# KiCad board tekskey-rounded.kicad_pcb (continued)
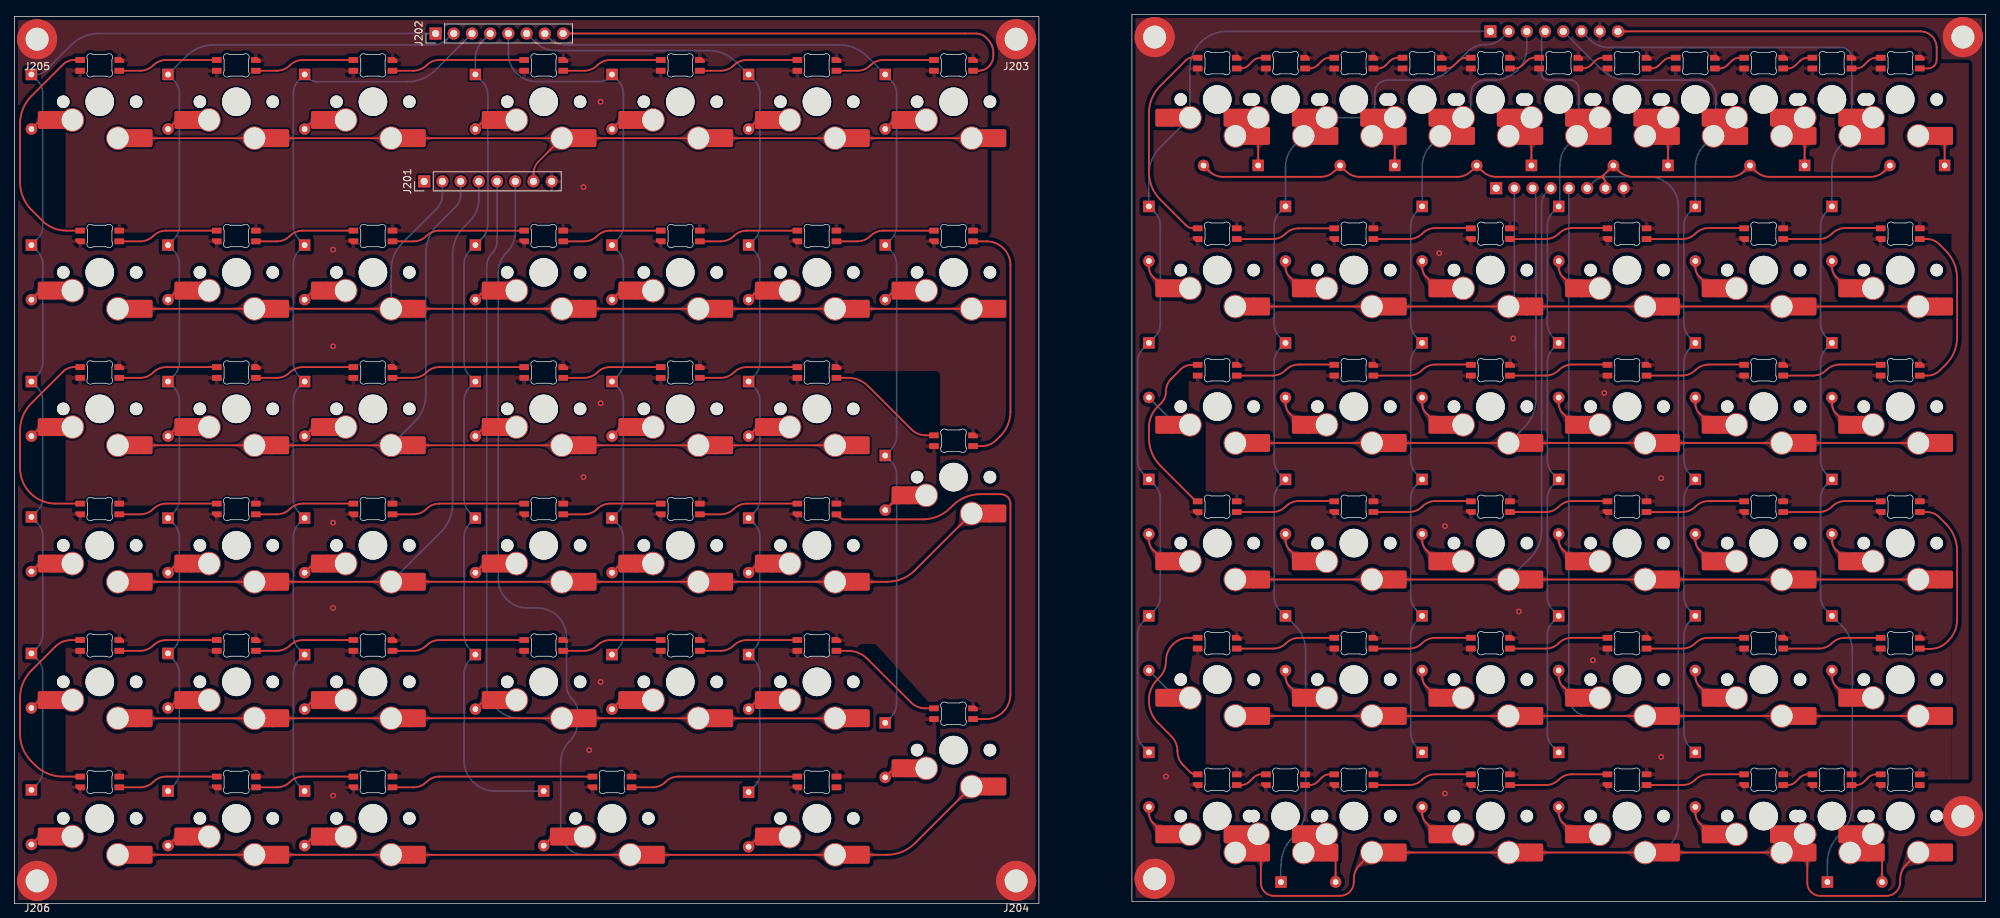
[diagram p0: board, top side]
## Copper pours and planes (outline as drawn; the poured copper is in the pictures) (continued)
Net-(D104-Pad1) on Top: 230.48,104.62 230.47,104.43 230.44,104.28 230.4,104.15 230.35,104.04 230.28,103.94 230.21,103.85 230.13,103.76 230.05,103.65 229.97,103.53 229.89,103.38 230.61,102.63 231.33,103.38 231.25,103.53 231.16,103.65 231.08,103.76 231,103.85 230.93,103.94 230.86,104.04 230.81,104.15 230.77,104.28 230.74,104.43 230.73,104.62
Net-(D104-Pad1) on Top: 230.73,104.71 230.75,104.98 230.79,105.19 230.87,105.37 230.97,105.51 231.09,105.63 231.22,105.75 231.38,105.86 231.54,105.98 231.71,106.13 231.89,106.3 231.17,107.75 229.74,106.97 229.8,106.69 229.88,106.45 229.97,106.25 230.07,106.07 230.17,105.89 230.27,105.72 230.35,105.52 230.42,105.3 230.46,105.03 230.48,104.71
Net-(D104-Pad1) on Bottom: 229.67,109.57 229.37,109.31 229.1,109.13 228.85,109.01 228.6,108.95 228.35,108.92 228.1,108.9 227.84,108.89 227.55,108.87 227.24,108.81 226.89,108.71 226.85,106.57 228.99,106.61 229.09,106.96 229.14,107.28 229.17,107.56 229.18,107.83 229.19,108.08 229.22,108.32 229.29,108.57 229.4,108.83 229.58,109.1 229.85,109.39
Net-(D104-Pad1) on Bottom: 228.09,107.64 228.36,107.87 228.61,108.03 228.84,108.12 229.07,108.17 229.3,108.17 229.54,108.14 229.8,108.11 230.07,108.07 230.37,108.05 230.7,108.05 231.33,110.1 229.25,110.64 229.05,110.31 228.91,110.01 228.82,109.73 228.75,109.47 228.7,109.21 228.63,108.96 228.54,108.69 228.4,108.42 228.2,108.13 227.91,107.81
Net-(D105-Pad1) on Top: 248.62,108.58 248.55,108.66 248.5,108.73 248.47,108.81 248.46,108.89 248.45,108.96 248.46,109.04 248.48,109.11 248.51,109.19 248.54,109.26 248.57,109.34 247.83,110.11 247.25,109.11 247.34,109 247.41,108.89 247.46,108.77 247.5,108.66 247.54,108.54 247.57,108.42 247.62,108.29 247.69,108.16 247.79,108.02 247.92,107.87
Net-(D105-Pad1) on Top: 247.63,108.15 247.86,107.92 248.04,107.71 248.19,107.53 248.32,107.36 248.43,107.2 248.54,107.04 248.65,106.88 248.78,106.71 248.93,106.52 249.11,106.32 250.61,106.92 249.95,108.4 249.75,108.39 249.57,108.38 249.41,108.37 249.25,108.37 249.1,108.39 248.96,108.43 248.82,108.49 248.67,108.58 248.51,108.7 248.34,108.86
Net-(D105-Pad1) on Top: 249.53,104.62 249.52,104.43 249.49,104.28 249.45,104.15 249.4,104.04 249.33,103.94 249.26,103.85 249.18,103.76 249.1,103.65 249.02,103.53 248.94,103.38 249.66,102.63 250.38,103.38 250.3,103.53 250.21,103.65 250.13,103.76 250.05,103.85 249.98,103.94 249.91,104.04 249.86,104.15 249.82,104.28 249.79,104.43 249.78,104.62
Net-(D105-Pad1) on Top: 249.78,104.71 249.8,104.98 249.84,105.19 249.92,105.37 250.02,105.51 250.14,105.63 250.27,105.75 250.43,105.86 250.59,105.98 250.76,106.13 250.94,106.3 250.22,107.75 248.79,106.97 248.85,106.69 248.93,106.45 249.02,106.25 249.12,106.07 249.22,105.89 249.32,105.72 249.4,105.52 249.47,105.3 249.51,105.03 249.53,104.71
Net-(D105-Pad1) on Bottom: 247.14,107.64 247.41,107.87 247.66,108.03 247.89,108.12 248.12,108.17 248.35,108.17 248.59,108.14 248.85,108.11 249.12,108.07 249.42,108.05 249.75,108.05 250.38,110.1 248.3,110.64 248.1,110.31 247.96,110.01 247.87,109.73 247.8,109.47 247.75,109.21 247.68,108.96 247.59,108.69 247.45,108.42 247.25,108.13 246.96,107.81
Net-(D105-Pad1) on Bottom: 248.72,109.57 248.42,109.31 248.15,109.13 247.9,109.01 247.65,108.95 247.4,108.92 247.15,108.9 246.89,108.89 246.6,108.87 246.29,108.81 245.94,108.71 245.9,106.57 248.04,106.61 248.14,106.96 248.19,107.28 248.22,107.56 248.23,107.83 248.24,108.08 248.27,108.32 248.34,108.57 248.45,108.83 248.63,109.1 248.9,109.39
Net-(D106-Pad1) on Top: 269.31,104.65 269.32,104.96 269.37,105.21 269.44,105.42 269.53,105.59 269.64,105.75 269.76,105.9 269.88,106.06 270.01,106.24 270.13,106.45 270.25,106.7 269.03,107.78 268,106.52 268.15,106.3 268.3,106.12 268.44,105.96 268.58,105.82 268.71,105.68 268.83,105.54 268.92,105.38 268.99,105.18 269.04,104.95 269.06,104.65
Net-(D106-Pad1) on Top: 269.06,104.62 269.05,104.43 269.02,104.28 268.98,104.15 268.92,104.04 268.86,103.94 268.79,103.85 268.71,103.76 268.63,103.65 268.54,103.53 268.46,103.38 269.18,102.63 269.9,103.38 269.82,103.53 269.74,103.65 269.66,103.76 269.58,103.85 269.51,103.94 269.44,104.04 269.39,104.15 269.34,104.28 269.32,104.43 269.31,104.62
Net-(D107-Pad2) on Top: 158.49,88.14 158.43,88.31 158.42,88.44 158.43,88.57 158.47,88.67 158.53,88.77 158.6,88.87 158.68,88.97 158.77,89.08 158.86,89.2 158.94,89.35 158.22,90.09 157.5,89.35 157.58,89.18 157.66,89.05 157.73,88.93 157.81,88.83 157.88,88.73 157.95,88.63 158.02,88.52 158.1,88.39 158.17,88.23 158.26,88.04
Net-(D107-Pad2) on Top: 158.12,88.54 158.2,88.14 158.29,87.8 158.4,87.52 158.52,87.28 158.64,87.05 158.76,86.84 158.88,86.61 158.98,86.35 159.07,86.05 159.15,85.69 160.82,85.44 160.79,87.06 160.44,87.17 160.1,87.25 159.78,87.31 159.48,87.37 159.21,87.45 158.97,87.56 158.76,87.71 158.59,87.92 158.45,88.21 158.36,88.58
Net-(D108-Pad2) on Top: 177.17,88.54 177.25,88.14 177.34,87.8 177.45,87.52 177.57,87.28 177.69,87.05 177.81,86.84 177.93,86.61 178.03,86.35 178.12,86.05 178.2,85.69 179.87,85.44 179.84,87.06 179.49,87.17 179.15,87.25 178.83,87.31 178.53,87.37 178.26,87.45 178.02,87.56 177.81,87.71 177.64,87.92 177.5,88.21 177.41,88.58
Net-(D108-Pad2) on Top: 177.54,88.14 177.48,88.31 177.47,88.44 177.48,88.57 177.52,88.67 177.58,88.77 177.65,88.87 177.73,88.97 177.82,89.08 177.91,89.2 177.99,89.35 177.27,90.09 176.55,89.35 176.63,89.18 176.71,89.05 176.78,88.93 176.86,88.83 176.93,88.73 177,88.63 177.07,88.52 177.15,88.39 177.22,88.23 177.31,88.04
Net-(D109-Pad2) on Top: 196.22,88.54 196.3,88.14 196.39,87.8 196.5,87.52 196.62,87.28 196.74,87.05 196.86,86.84 196.98,86.61 197.08,86.35 197.17,86.05 197.25,85.69 198.92,85.44 198.89,87.06 198.54,87.17 198.2,87.25 197.88,87.31 197.58,87.37 197.31,87.45 197.07,87.56 196.86,87.71 196.69,87.92 196.55,88.21 196.46,88.58
Net-(D109-Pad2) on Top: 196.59,88.14 196.53,88.31 196.52,88.44 196.53,88.57 196.57,88.67 196.63,88.77 196.7,88.87 196.78,88.97 196.87,89.08 196.96,89.2 197.04,89.35 196.32,90.09 195.6,89.35 195.68,89.18 195.76,89.05 195.83,88.93 195.91,88.83 195.98,88.73 196.05,88.63 196.12,88.52 196.2,88.39 196.27,88.23 196.36,88.04
Net-(D110-Pad2) on Top: 215.64,88.14 215.58,88.31 215.57,88.44 215.58,88.57 215.62,88.67 215.68,88.77 215.75,88.87 215.83,88.97 215.92,89.08 216.01,89.2 216.09,89.35 215.37,90.09 214.65,89.35 214.73,89.18 214.81,89.05 214.88,88.93 214.96,88.83 215.03,88.73 215.1,88.63 215.17,88.52 215.25,88.39 215.32,88.23 215.41,88.04
Net-(D110-Pad2) on Top: 215.27,88.54 215.35,88.14 215.44,87.8 215.55,87.52 215.67,87.28 215.79,87.05 215.91,86.84 216.03,86.61 216.13,86.35 216.22,86.05 216.3,85.69 217.97,85.44 217.94,87.06 217.59,87.17 217.25,87.25 216.93,87.31 216.63,87.37 216.36,87.45 216.12,87.56 215.91,87.71 215.74,87.92 215.6,88.21 215.51,88.58
Net-(D111-Pad2) on Top: 234.69,88.14 234.63,88.31 234.62,88.44 234.63,88.57 234.67,88.67 234.73,88.77 234.8,88.87 234.88,88.97 234.97,89.08 235.06,89.2 235.14,89.35 234.42,90.09 233.7,89.35 233.78,89.18 233.86,89.05 233.93,88.93 234.01,88.83 234.08,88.73 234.15,88.63 234.22,88.52 234.3,88.39 234.37,88.23 234.46,88.04
Net-(D111-Pad2) on Top: 234.32,88.54 234.4,88.14 234.49,87.8 234.6,87.52 234.72,87.28 234.84,87.05 234.96,86.84 235.08,86.61 235.18,86.35 235.27,86.05 235.35,85.69 237.02,85.44 236.99,87.06 236.64,87.17 236.3,87.25 235.98,87.31 235.68,87.37 235.41,87.45 235.17,87.56 234.96,87.71 234.79,87.92 234.65,88.21 234.56,88.58
Net-(D112-Pad2) on Top: 253.37,88.54 253.45,88.14 253.54,87.8 253.65,87.52 253.77,87.28 253.89,87.05 254.01,86.84 254.13,86.61 254.23,86.35 254.32,86.05 254.4,85.69 256.07,85.44 256.04,87.06 255.69,87.17 255.35,87.25 255.03,87.31 254.73,87.37 254.46,87.45 254.22,87.56 254.01,87.71 253.84,87.92 253.7,88.21 253.61,88.58
Net-(D112-Pad2) on Top: 253.74,88.14 253.68,88.31 253.67,88.44 253.68,88.57 253.72,88.67 253.78,88.77 253.85,88.87 253.93,88.97 254.02,89.08 254.11,89.2 254.19,89.35 253.47,90.09 252.75,89.35 252.83,89.18 252.91,89.05 252.98,88.93 253.06,88.83 253.13,88.73 253.2,88.63 253.27,88.52 253.35,88.39 253.42,88.23 253.51,88.04
Net-(D113-Pad2) on Bottom: 159.43,69.61 159.3,69.75 159.21,69.87 159.15,69.99 159.12,70.11 159.09,70.22 159.08,70.34 159.07,70.47 159.05,70.6 159.02,70.74 158.97,70.91 157.93,70.93 157.95,69.89 158.12,69.84 158.26,69.81 158.39,69.79 158.52,69.78 158.64,69.77 158.75,69.74 158.87,69.71 158.99,69.65 159.11,69.56 159.25,69.43
Net-(D113-Pad2) on Bottom: 160.86,67.82 161.13,67.54 161.36,67.3 161.55,67.08 161.71,66.89 161.85,66.7 161.99,66.53 162.14,66.34 162.32,66.14 162.52,65.92 162.76,65.67 164.75,66.71 163.45,68.41 163.15,68.3 162.88,68.16 162.63,68.02 162.4,67.88 162.18,67.76 161.96,67.68 161.74,67.65 161.52,67.68 161.29,67.79 161.04,68
Net-(D114-Pad2) on Top: 177.54,69.09 177.48,69.26 177.47,69.39 177.48,69.52 177.52,69.62 177.58,69.72 177.65,69.82 177.73,69.92 177.82,70.03 177.91,70.15 177.99,70.3 177.27,71.04 176.55,70.3 176.63,70.13 176.71,70 176.78,69.88 176.86,69.78 176.93,69.68 177,69.58 177.07,69.47 177.15,69.34 177.22,69.18 177.31,68.99
Net-(D114-Pad2) on Top: 177.17,69.49 177.25,69.09 177.34,68.75 177.45,68.47 177.57,68.23 177.69,68 177.81,67.79 177.93,67.56 178.03,67.3 178.12,67 178.2,66.64 179.87,66.39 179.84,68.01 179.49,68.12 179.15,68.2 178.83,68.26 178.53,68.32 178.26,68.4 178.02,68.51 177.81,68.66 177.64,68.87 177.5,69.16 177.41,69.53
Net-(D115-Pad2) on Top: 196.59,69.09 196.53,69.26 196.52,69.39 196.53,69.52 196.57,69.62 196.63,69.72 196.7,69.82 196.78,69.92 196.87,70.03 196.96,70.15 197.04,70.3 196.32,71.04 195.6,70.3 195.68,70.13 195.76,70 195.83,69.88 195.91,69.78 195.98,69.68 196.05,69.58 196.12,69.47 196.2,69.34 196.27,69.18 196.36,68.99
Net-(D115-Pad2) on Top: 196.22,69.49 196.3,69.09 196.39,68.75 196.5,68.47 196.62,68.23 196.74,68 196.86,67.79 196.98,67.56 197.08,67.3 197.17,67 197.25,66.64 198.92,66.39 198.89,68.01 198.54,68.12 198.2,68.2 197.88,68.26 197.58,68.32 197.31,68.4 197.07,68.51 196.86,68.66 196.69,68.87 196.55,69.16 196.46,69.53
Net-(D116-Pad2) on Top: 215.64,69.09 215.58,69.26 215.57,69.39 215.58,69.52 215.62,69.62 215.68,69.72 215.75,69.82 215.83,69.92 215.92,70.03 216.01,70.15 216.09,70.3 215.37,71.04 214.65,70.3 214.73,70.13 214.81,70 214.88,69.88 214.96,69.78 215.03,69.68 215.1,69.58 215.17,69.47 215.25,69.34 215.32,69.18 215.41,68.99
Net-(D116-Pad2) on Top: 215.27,69.49 215.35,69.09 215.44,68.75 215.55,68.47 215.67,68.23 215.79,68 215.91,67.79 216.03,67.56 216.13,67.3 216.22,67 216.3,66.64 217.97,66.39 217.94,68.01 217.59,68.12 217.25,68.2 216.93,68.26 216.63,68.32 216.36,68.4 216.12,68.51 215.91,68.66 215.74,68.87 215.6,69.16 215.51,69.53
Net-(D117-Pad2) on Top: 234.32,69.49 234.4,69.09 234.49,68.75 234.6,68.47 234.72,68.23 234.84,68 234.96,67.79 235.08,67.56 235.18,67.3 235.27,67 235.35,66.64 237.02,66.39 236.99,68.01 236.64,68.12 236.3,68.2 235.98,68.26 235.68,68.32 235.41,68.4 235.17,68.51 234.96,68.66 234.79,68.87 234.65,69.16 234.56,69.53
Net-(D117-Pad2) on Top: 234.69,69.09 234.63,69.26 234.62,69.39 234.63,69.52 234.67,69.62 234.73,69.72 234.8,69.82 234.88,69.92 234.97,70.03 235.06,70.15 235.14,70.3 234.42,71.04 233.7,70.3 233.78,70.13 233.86,70 233.93,69.88 234.01,69.78 234.08,69.68 234.15,69.58 234.22,69.47 234.3,69.34 234.37,69.18 234.46,68.99
Net-(D118-Pad2) on Top: 253.37,69.49 253.45,69.09 253.54,68.75 253.65,68.47 253.77,68.23 253.89,68 254.01,67.79 254.13,67.56 254.23,67.3 254.32,67 254.4,66.64 256.07,66.39 256.04,68.01 255.69,68.12 255.35,68.2 255.03,68.26 254.73,68.32 254.46,68.4 254.22,68.51 254.01,68.66 253.84,68.87 253.7,69.16 253.61,69.53
Net-(D118-Pad2) on Top: 253.74,69.09 253.68,69.26 253.67,69.39 253.68,69.52 253.72,69.62 253.78,69.72 253.85,69.82 253.93,69.92 254.02,70.03 254.11,70.15 254.19,70.3 253.47,71.04 252.75,70.3 252.83,70.13 252.91,70 252.98,69.88 253.06,69.78 253.13,69.68 253.2,69.58 253.27,69.47 253.35,69.34 253.42,69.18 253.51,68.99
Net-(D119-Pad2) on Top: 158.49,50.04 158.43,50.21 158.42,50.34 158.43,50.47 158.47,50.57 158.53,50.67 158.6,50.77 158.68,50.87 158.77,50.98 158.86,51.1 158.94,51.25 158.22,51.99 157.5,51.25 157.58,51.08 157.66,50.95 157.73,50.83 157.81,50.73 157.88,50.63 157.95,50.53 158.02,50.42 158.1,50.29 158.17,50.13 158.26,49.94
Net-(D119-Pad2) on Top: 158.12,50.44 158.2,50.04 158.29,49.7 158.4,49.42 158.52,49.18 158.64,48.95 158.76,48.74 158.88,48.51 158.98,48.25 159.07,47.95 159.15,47.59 160.82,47.34 160.79,48.96 160.44,49.07 160.1,49.15 159.78,49.21 159.48,49.27 159.21,49.35 158.97,49.46 158.76,49.61 158.59,49.82 158.45,50.11 158.36,50.48
Net-(D120-Pad2) on Top: 177.17,50.44 177.25,50.04 177.34,49.7 177.45,49.42 177.57,49.18 177.69,48.95 177.81,48.74 177.93,48.51 178.03,48.25 178.12,47.95 178.2,47.59 179.87,47.34 179.84,48.96 179.49,49.07 179.15,49.15 178.83,49.21 178.53,49.27 178.26,49.35 178.02,49.46 177.81,49.61 177.64,49.82 177.5,50.11 177.41,50.48
Net-(D120-Pad2) on Top: 177.54,50.04 177.48,50.21 177.47,50.34 177.48,50.47 177.52,50.57 177.58,50.67 177.65,50.77 177.73,50.87 177.82,50.98 177.91,51.1 177.99,51.25 177.27,51.99 176.55,51.25 176.63,51.08 176.71,50.95 176.78,50.83 176.86,50.73 176.93,50.63 177,50.53 177.07,50.42 177.15,50.29 177.22,50.13 177.31,49.94
Net-(D121-Pad2) on Top: 196.59,50.04 196.53,50.21 196.52,50.34 196.53,50.47 196.57,50.57 196.63,50.67 196.7,50.77 196.78,50.87 196.87,50.98 196.96,51.1 197.04,51.25 196.32,51.99 195.6,51.25 195.68,51.08 195.76,50.95 195.83,50.83 195.91,50.73 195.98,50.63 196.05,50.53 196.12,50.42 196.2,50.29 196.27,50.13 196.36,49.94
Net-(D121-Pad2) on Top: 196.22,50.44 196.3,50.04 196.39,49.7 196.5,49.42 196.62,49.18 196.74,48.95 196.86,48.74 196.98,48.51 197.08,48.25 197.17,47.95 197.25,47.59 198.92,47.34 198.89,48.96 198.54,49.07 198.2,49.15 197.88,49.21 197.58,49.27 197.31,49.35 197.07,49.46 196.86,49.61 196.69,49.82 196.55,50.11 196.46,50.48
Net-(D122-Pad2) on Top: 215.27,50.44 215.35,50.04 215.44,49.7 215.55,49.42 215.67,49.18 215.79,48.95 215.91,48.74 216.03,48.51 216.13,48.25 216.22,47.95 216.3,47.59 217.97,47.34 217.94,48.96 217.59,49.07 217.25,49.15 216.93,49.21 216.63,49.27 216.36,49.35 216.12,49.46 215.91,49.61 215.74,49.82 215.6,50.11 215.51,50.48
Net-(D122-Pad2) on Top: 215.64,50.04 215.58,50.21 215.57,50.34 215.58,50.47 215.62,50.57 215.68,50.67 215.75,50.77 215.83,50.87 215.92,50.98 216.01,51.1 216.09,51.25 215.37,51.99 214.65,51.25 214.73,51.08 214.81,50.95 214.88,50.83 214.96,50.73 215.03,50.63 215.1,50.53 215.17,50.42 215.25,50.29 215.32,50.13 215.41,49.94
Net-(D123-Pad2) on Top: 234.32,50.44 234.4,50.04 234.49,49.7 234.6,49.42 234.72,49.18 234.84,48.95 234.96,48.74 235.08,48.51 235.18,48.25 235.27,47.95 235.35,47.59 237.02,47.34 236.99,48.96 236.64,49.07 236.3,49.15 235.98,49.21 235.68,49.27 235.41,49.35 235.17,49.46 234.96,49.61 234.79,49.82 234.65,50.11 234.56,50.48
Net-(D123-Pad2) on Top: 234.69,50.04 234.63,50.21 234.62,50.34 234.63,50.47 234.67,50.57 234.73,50.67 234.8,50.77 234.88,50.87 234.97,50.98 235.06,51.1 235.14,51.25 234.42,51.99 233.7,51.25 233.78,51.08 233.86,50.95 233.93,50.83 234.01,50.73 234.08,50.63 234.15,50.53 234.22,50.42 234.3,50.29 234.37,50.13 234.46,49.94
Net-(D124-Pad2) on Top: 253.37,50.44 253.45,50.04 253.54,49.7 253.65,49.42 253.77,49.18 253.89,48.95 254.01,48.74 254.13,48.51 254.23,48.25 254.32,47.95 254.4,47.59 256.07,47.34 256.04,48.96 255.69,49.07 255.35,49.15 255.03,49.21 254.73,49.27 254.46,49.35 254.22,49.46 254.01,49.61 253.84,49.82 253.7,50.11 253.61,50.48
Net-(D124-Pad2) on Top: 253.74,50.04 253.68,50.21 253.67,50.34 253.68,50.47 253.72,50.57 253.78,50.67 253.85,50.77 253.93,50.87 254.02,50.98 254.11,51.1 254.19,51.25 253.47,51.99 252.75,51.25 252.83,51.08 252.91,50.95 252.98,50.83 253.06,50.73 253.13,50.63 253.2,50.53 253.27,50.42 253.35,50.29 253.42,50.13 253.51,49.94
Net-(D125-Pad2) on Bottom: 159.43,31.51 159.3,31.65 159.21,31.77 159.15,31.89 159.12,32.01 159.09,32.12 159.08,32.24 159.07,32.37 159.05,32.5 159.02,32.64 158.97,32.81 157.93,32.83 157.95,31.79 158.12,31.74 158.26,31.71 158.39,31.69 158.52,31.68 158.64,31.67 158.75,31.64 158.87,31.61 158.99,31.55 159.11,31.46 159.25,31.33
Net-(D125-Pad2) on Bottom: 160.86,29.72 161.13,29.44 161.36,29.2 161.55,28.98 161.71,28.79 161.85,28.6 161.99,28.43 162.14,28.24 162.32,28.04 162.52,27.82 162.76,27.57 164.75,28.61 163.45,30.31 163.15,30.2 162.88,30.06 162.63,29.92 162.4,29.78 162.18,29.66 161.96,29.58 161.74,29.55 161.52,29.58 161.29,29.69 161.04,29.9
Net-(D126-Pad2) on Top: 177.17,31.39 177.25,30.99 177.34,30.65 177.45,30.37 177.57,30.13 177.69,29.9 177.81,29.69 177.93,29.46 178.03,29.2 178.12,28.9 178.2,28.54 179.87,28.29 179.84,29.91 179.49,30.02 179.15,30.1 178.83,30.16 178.53,30.22 178.26,30.3 178.02,30.41 177.81,30.56 177.64,30.77 177.5,31.06 177.41,31.43
Net-(D126-Pad2) on Top: 177.54,30.99 177.48,31.16 177.47,31.29 177.48,31.42 177.52,31.52 177.58,31.62 177.65,31.72 177.73,31.82 177.82,31.93 177.91,32.05 177.99,32.2 177.27,32.94 176.55,32.2 176.63,32.03 176.71,31.9 176.78,31.78 176.86,31.68 176.93,31.58 177,31.48 177.07,31.37 177.15,31.24 177.22,31.08 177.31,30.89
Net-(D127-Pad2) on Top: 196.59,30.99 196.53,31.16 196.52,31.29 196.53,31.42 196.57,31.52 196.63,31.62 196.7,31.72 196.78,31.82 196.87,31.93 196.96,32.05 197.04,32.2 196.32,32.94 195.6,32.2 195.68,32.03 195.76,31.9 195.83,31.78 195.91,31.68 195.98,31.58 196.05,31.48 196.12,31.37 196.2,31.24 196.27,31.08 196.36,30.89
Net-(D127-Pad2) on Top: 196.22,31.39 196.3,30.99 196.39,30.65 196.5,30.37 196.62,30.13 196.74,29.9 196.86,29.69 196.98,29.46 197.08,29.2 197.17,28.9 197.25,28.54 198.92,28.29 198.89,29.91 198.54,30.02 198.2,30.1 197.88,30.16 197.58,30.22 197.31,30.3 197.07,30.41 196.86,30.56 196.69,30.77 196.55,31.06 196.46,31.43
Net-(D128-Pad2) on Top: 215.64,30.99 215.58,31.16 215.57,31.29 215.58,31.42 215.62,31.52 215.68,31.62 215.75,31.72 215.83,31.82 215.92,31.93 216.01,32.05 216.09,32.2 215.37,32.94 214.65,32.2 214.73,32.03 214.81,31.9 214.88,31.78 214.96,31.68 215.03,31.58 215.1,31.48 215.17,31.37 215.25,31.24 215.32,31.08 215.41,30.89
Net-(D128-Pad2) on Top: 215.27,31.39 215.35,30.99 215.44,30.65 215.55,30.37 215.67,30.13 215.79,29.9 215.91,29.69 216.03,29.46 216.13,29.2 216.22,28.9 216.3,28.54 217.97,28.29 217.94,29.91 217.59,30.02 217.25,30.1 216.93,30.16 216.63,30.22 216.36,30.3 216.12,30.41 215.91,30.56 215.74,30.77 215.6,31.06 215.51,31.43
Net-(D129-Pad2) on Top: 234.32,31.39 234.4,30.99 234.49,30.65 234.6,30.37 234.72,30.13 234.84,29.9 234.96,29.69 235.08,29.46 235.18,29.2 235.27,28.9 235.35,28.54 237.02,28.29 236.99,29.91 236.64,30.02 236.3,30.1 235.98,30.16 235.68,30.22 235.41,30.3 235.17,30.41 234.96,30.56 234.79,30.77 234.65,31.06 234.56,31.43
Net-(D129-Pad2) on Top: 234.69,30.99 234.63,31.16 234.62,31.29 234.63,31.42 234.67,31.52 234.73,31.62 234.8,31.72 234.88,31.82 234.97,31.93 235.06,32.05 235.14,32.2 234.42,32.94 233.7,32.2 233.78,32.03 233.86,31.9 233.93,31.78 234.01,31.68 234.08,31.58 234.15,31.48 234.22,31.37 234.3,31.24 234.37,31.08 234.46,30.89
Net-(D130-Pad2) on Top: 253.37,31.39 253.45,30.99 253.54,30.65 253.65,30.37 253.77,30.13 253.89,29.9 254.01,29.69 254.13,29.46 254.23,29.2 254.32,28.9 254.4,28.54 256.07,28.29 256.04,29.91 255.69,30.02 255.35,30.1 255.03,30.16 254.73,30.22 254.46,30.3 254.22,30.41 254.01,30.56 253.84,30.77 253.7,31.06 253.61,31.43
Net-(D130-Pad2) on Top: 253.74,30.99 253.68,31.16 253.67,31.29 253.68,31.42 253.72,31.52 253.78,31.62 253.85,31.72 253.93,31.82 254.02,31.93 254.11,32.05 254.19,32.2 253.47,32.94 252.75,32.2 252.83,32.03 252.91,31.9 252.98,31.78 253.06,31.68 253.13,31.58 253.2,31.48 253.27,31.37 253.35,31.24 253.42,31.08 253.51,30.89
Net-(D131-Pad2) on Top: 158.12,12.34 158.2,11.94 158.29,11.6 158.4,11.32 158.52,11.08 158.64,10.85 158.76,10.64 158.88,10.41 158.98,10.15 159.07,9.85 159.15,9.49 160.82,9.24 160.79,10.86 160.44,10.97 160.1,11.05 159.78,11.11 159.48,11.17 159.21,11.25 158.97,11.36 158.76,11.51 158.59,11.72 158.45,12.01 158.36,12.38
Net-(D131-Pad2) on Top: 158.49,11.94 158.43,12.11 158.42,12.24 158.43,12.37 158.47,12.47 158.53,12.57 158.6,12.67 158.68,12.77 158.77,12.88 158.86,13 158.94,13.15 158.22,13.89 157.5,13.15 157.58,12.98 157.66,12.85 157.73,12.73 157.81,12.63 157.88,12.53 157.95,12.43 158.02,12.32 158.1,12.19 158.17,12.03 158.26,11.84
Net-(D132-Pad2) on Top: 180.95,8.15 181.18,7.91 181.36,7.71 181.51,7.52 181.64,7.35 181.76,7.19 181.86,7.03 181.98,6.87 182.1,6.7 182.25,6.51 182.43,6.31 183.94,6.91 183.27,8.39 183.08,8.38 182.9,8.36 182.73,8.36 182.58,8.36 182.43,8.38 182.28,8.42 182.14,8.48 181.99,8.57 181.83,8.7 181.66,8.85
Net-(D132-Pad2) on Top: 184.13,4.61 184.12,4.42 184.09,4.27 184.05,4.14 183.99,4.03 183.93,3.93 183.85,3.84 183.78,3.74 183.69,3.64 183.61,3.51 183.53,3.36 184.25,2.62 184.97,3.36 184.89,3.51 184.81,3.64 184.73,3.74 184.65,3.84 184.57,3.93 184.51,4.03 184.45,4.14 184.41,4.27 184.39,4.42 184.38,4.61
Net-(D132-Pad2) on Bottom: 182.04,9.56 181.75,9.3 181.48,9.12 181.22,9 180.97,8.94 180.73,8.9 180.48,8.89 180.21,8.88 179.93,8.86 179.61,8.8 179.26,8.7 179.22,6.56 181.36,6.6 181.46,6.95 181.52,7.26 181.54,7.55 181.55,7.81 181.57,8.07 181.6,8.31 181.66,8.56 181.78,8.82 181.96,9.09 182.22,9.38
Net-(D132-Pad2) on Bottom: 180.46,7.62 180.73,7.86 180.98,8.02 181.22,8.11 181.45,8.15 181.68,8.15 181.92,8.13 182.17,8.09 182.44,8.06 182.74,8.03 183.08,8.04 183.7,10.09 181.63,10.63 181.43,10.3 181.29,10 181.19,9.72 181.13,9.46 181.07,9.2 181.01,8.94 180.91,8.68 180.77,8.41 180.57,8.12 180.29,7.8
Net-(D133-Pad2) on Top: 196.59,11.94 196.53,12.11 196.52,12.24 196.53,12.37 196.57,12.47 196.63,12.57 196.7,12.67 196.78,12.77 196.87,12.88 196.96,13 197.04,13.15 196.32,13.89 195.6,13.15 195.68,12.98 195.76,12.85 195.83,12.73 195.91,12.63 195.98,12.53 196.05,12.43 196.12,12.32 196.2,12.19 196.27,12.03 196.36,11.84
Net-(D133-Pad2) on Top: 196.22,12.34 196.3,11.94 196.39,11.6 196.5,11.32 196.62,11.08 196.74,10.85 196.86,10.64 196.98,10.41 197.08,10.15 197.17,9.85 197.25,9.49 198.92,9.24 198.89,10.86 198.54,10.97 198.2,11.05 197.88,11.11 197.58,11.17 197.31,11.25 197.07,11.36 196.86,11.51 196.69,11.72 196.55,12.01 196.46,12.38
Net-(D134-Pad2) on Top: 215.64,11.94 215.58,12.11 215.57,12.24 215.58,12.37 215.62,12.47 215.68,12.57 215.75,12.67 215.83,12.77 215.92,12.88 216.01,13 216.09,13.15 215.37,13.89 214.65,13.15 214.73,12.98 214.81,12.85 214.88,12.73 214.96,12.63 215.03,12.53 215.1,12.43 215.17,12.32 215.25,12.19 215.32,12.03 215.41,11.84
Net-(D134-Pad2) on Top: 215.27,12.34 215.35,11.94 215.44,11.6 215.55,11.32 215.67,11.08 215.79,10.85 215.91,10.64 216.03,10.41 216.13,10.15 216.22,9.85 216.3,9.49 217.97,9.24 217.94,10.86 217.59,10.97 217.25,11.05 216.93,11.11 216.63,11.17 216.36,11.25 216.12,11.36 215.91,11.51 215.74,11.72 215.6,12.01 215.51,12.38
Net-(D135-Pad2) on Top: 234.69,11.94 234.63,12.11 234.62,12.24 234.63,12.37 234.67,12.47 234.73,12.57 234.8,12.67 234.88,12.77 234.97,12.88 235.06,13 235.14,13.15 234.42,13.89 233.7,13.15 233.78,12.98 233.86,12.85 233.93,12.73 234.01,12.63 234.08,12.53 234.15,12.43 234.22,12.32 234.3,12.19 234.37,12.03 234.46,11.84
Net-(D135-Pad2) on Top: 234.32,12.34 234.4,11.94 234.49,11.6 234.6,11.32 234.72,11.08 234.84,10.85 234.96,10.64 235.08,10.41 235.18,10.15 235.27,9.85 235.35,9.49 237.02,9.24 236.99,10.86 236.64,10.97 236.3,11.05 235.98,11.11 235.68,11.17 235.41,11.25 235.17,11.36 234.96,11.51 234.79,11.72 234.65,12.01 234.56,12.38
Net-(D136-Pad2) on Top: 258.03,8.68 257.81,8.91 257.62,9.12 257.47,9.31 257.34,9.48 257.23,9.64 257.12,9.8 257.01,9.96 256.89,10.13 256.74,10.31 256.56,10.52 255.05,9.92 255.71,8.44 255.91,8.45 256.09,8.46 256.26,8.47 256.41,8.46 256.56,8.44 256.7,8.41 256.85,8.34 257,8.25 257.16,8.13 257.33,7.97
Net-(D136-Pad2) on Top: 260.33,4.61 260.32,4.42 260.29,4.27 260.25,4.14 260.19,4.03 260.13,3.93 260.05,3.84 259.98,3.74 259.89,3.64 259.81,3.51 259.73,3.36 260.45,2.62 261.17,3.36 261.09,3.51 261.01,3.64 260.93,3.74 260.85,3.84 260.77,3.93 260.71,4.03 260.65,4.14 260.61,4.27 260.59,4.42 260.58,4.61
Net-(D136-Pad2) on Top: 257.15,8.15 257.38,7.91 257.56,7.71 257.71,7.52 257.84,7.35 257.96,7.19 258.06,7.03 258.18,6.87 258.3,6.7 258.45,6.51 258.63,6.31 260.14,6.91 259.47,8.39 259.28,8.38 259.1,8.36 258.93,8.36 258.78,8.36 258.63,8.38 258.48,8.42 258.34,8.48 258.19,8.57 258.03,8.7 257.86,8.85